# Altium PCB core-unit.PcbDoc
Units mil, origin at the board's own origin, x right, y up, seen from the top; angles counter-clockwise.
Board outline 393.7 x 629.92 mil, 6 copper layers (Top Layer, Gnd 1, Signal Pwr 1, Gnd 2, Signal Pwr 2, Bottom Layer), stack 32.112 mil thick; 55 components, 45 nets, 272 pads, 133 vias.
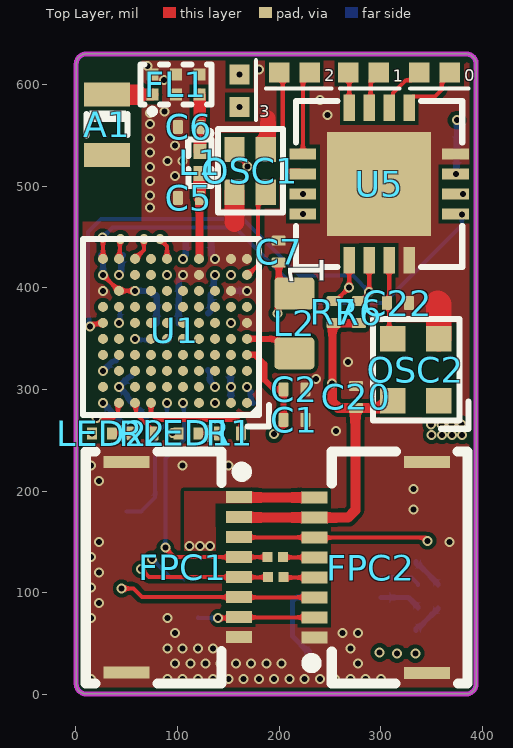
[diagram p0: Top Layer view]
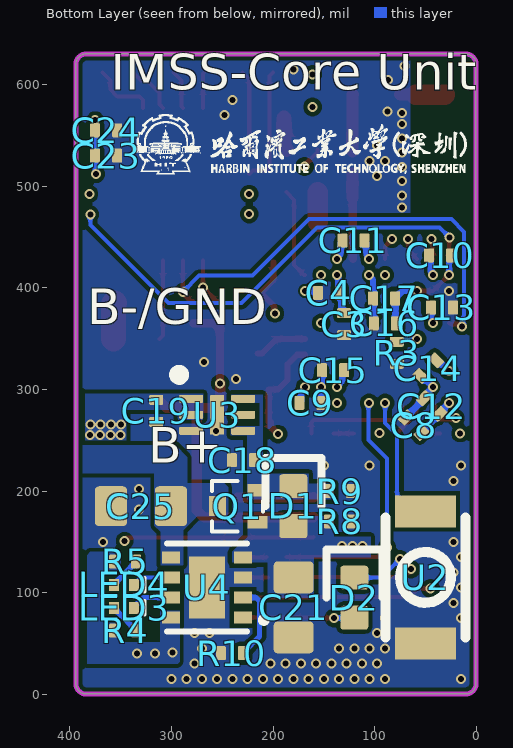
[diagram p1: Bottom Layer view, seen from below]
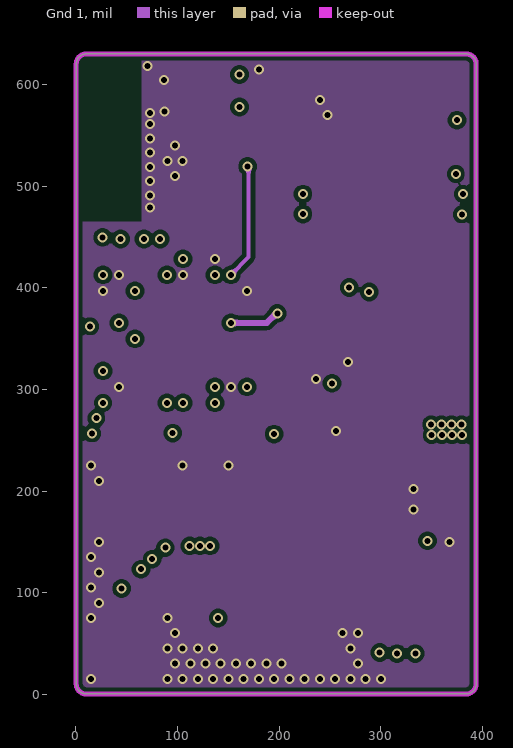
[diagram p2: Gnd 1]
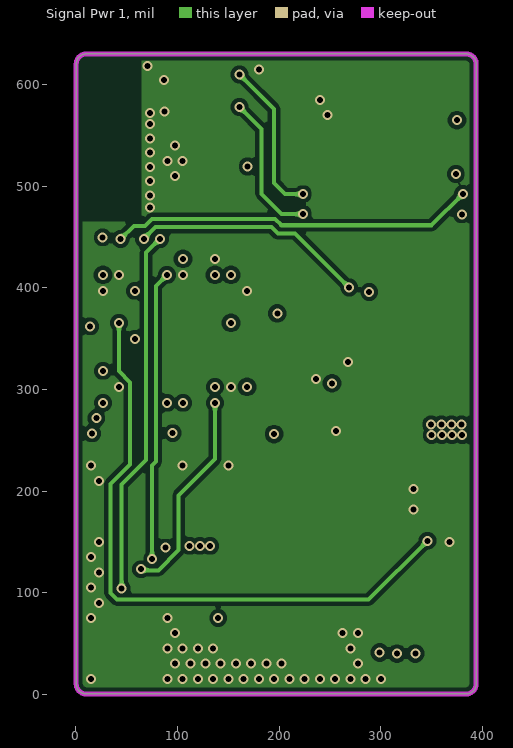
[diagram p3: Signal Pwr 1]
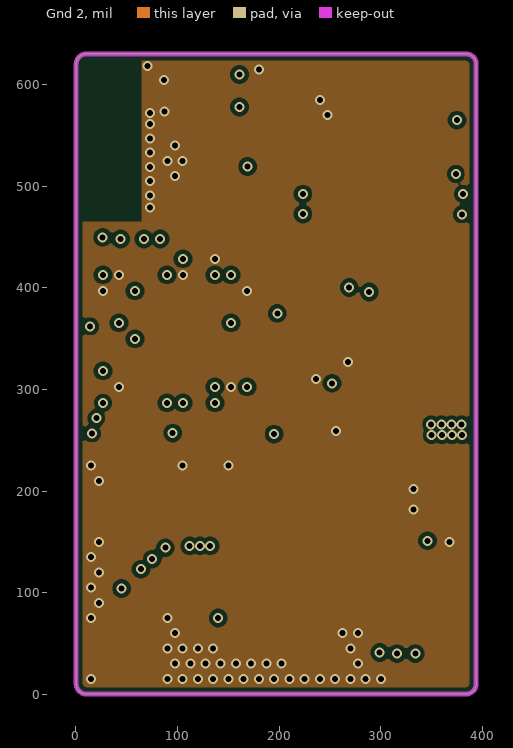
[diagram p4: Gnd 2]
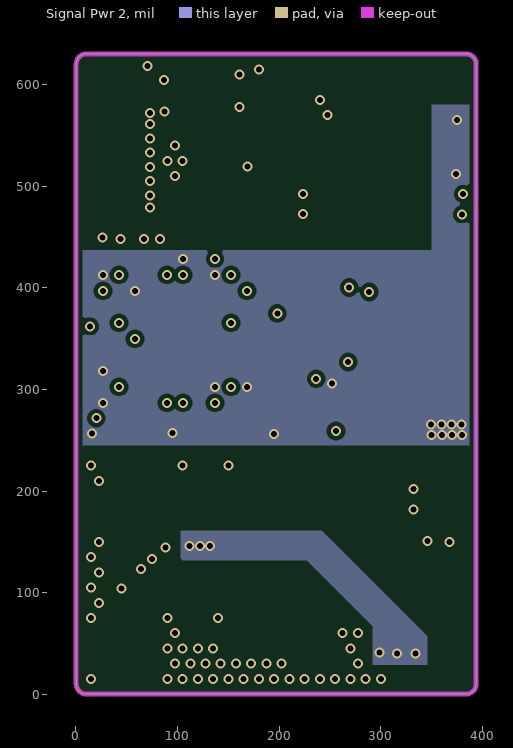
[diagram p5: Signal Pwr 2]
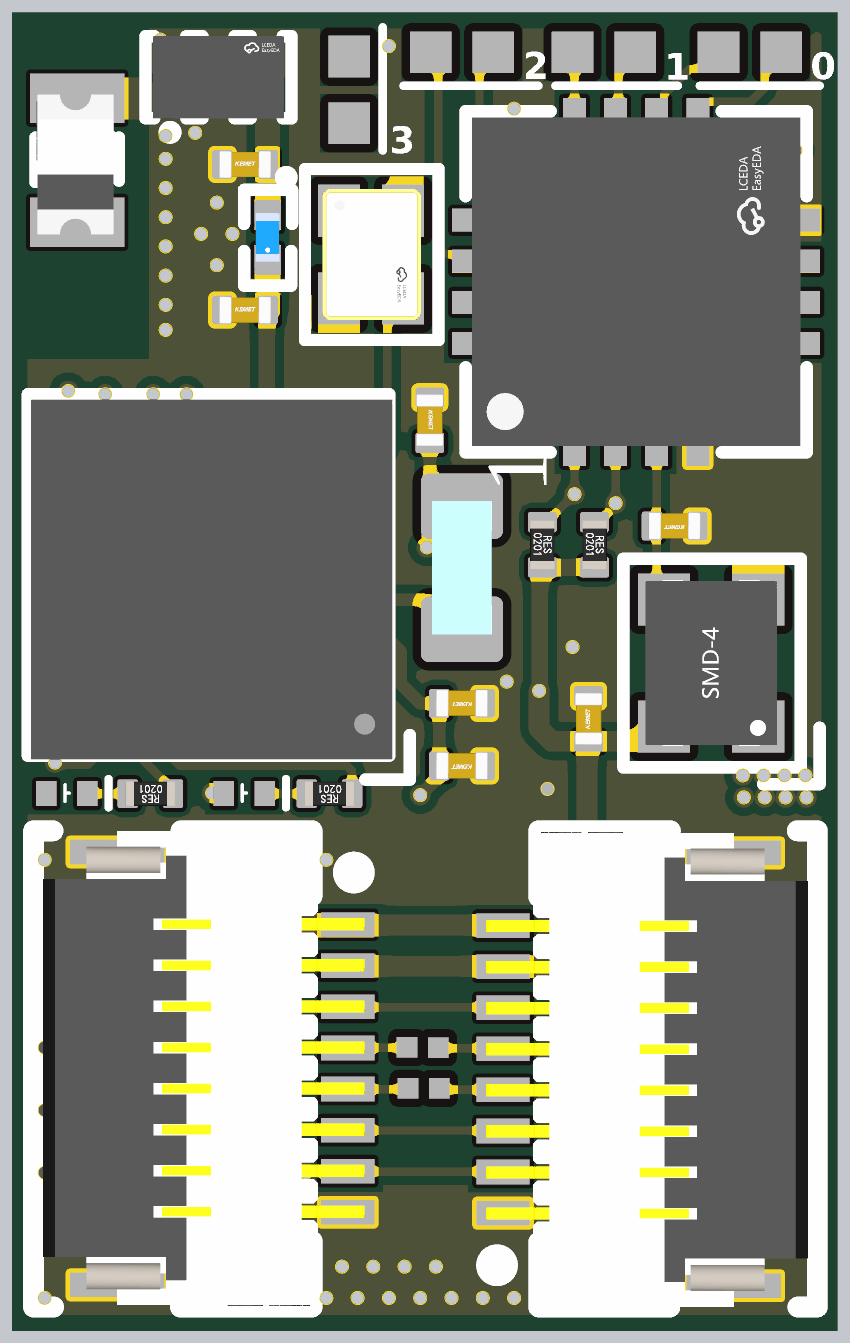
[diagram p6: 3D render of the assembled board from above, using the file's embedded part models]
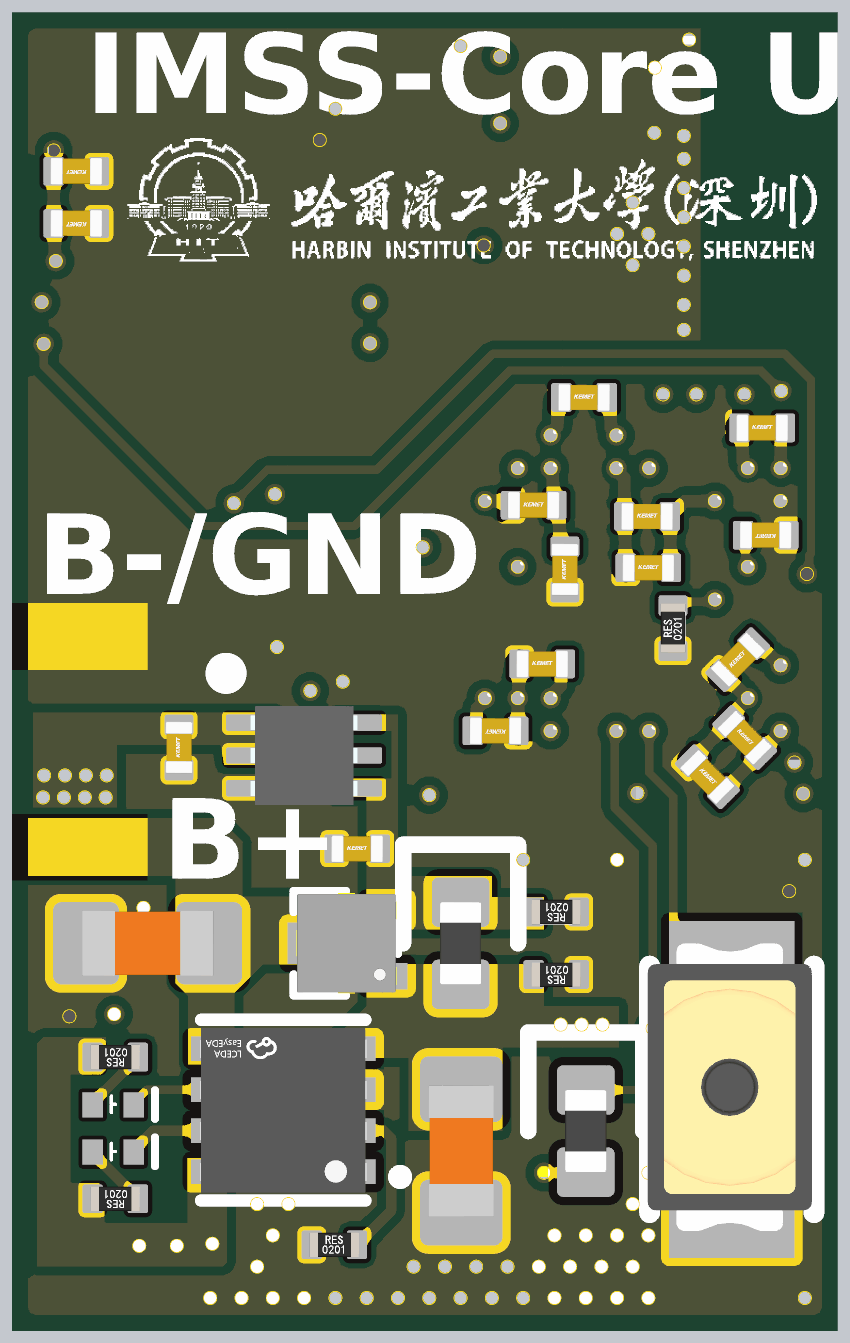
[diagram p7: 3D render of the assembled board from below, using the file's embedded part models]

## Layer stack, top to bottom
Top Solder: solder mask 0.4, Solder Resist, Dk 3.5
Top Layer: signal copper 1.4
Dielectric 2: prepreg 2.8, PP-006, Dk 4.1
Gnd 1: signal copper 1.378
Dielectric 4: prepreg 2.8, PP-006, Dk 4.1
Signal Pwr 1: signal copper 1.378
Dielectric 1: dielectric 12.6, FR-4, Dk 4.8
Gnd 2: signal copper 1.378
Dielectric 5: prepreg 2.8, PP-006, Dk 4.1
Signal Pwr 2: signal copper 1.378
Dielectric 3: prepreg 2.8, PP-006, Dk 4.1
Bottom Layer: signal copper 1.4
Bottom Solder: solder mask 0.4, Solder Resist, Dk 3.5

## Board outline
0.25,10.09 0.25,620.33 cw(c10.09,620.33) 10.09,630.17 384.11,630.17 cw(c384.11,620.33) 393.95,620.33 393.95,10.09 cw(c384.11,10.09) 384.11,0.25 10.09,0.25 cw(c10.09,10.09)

## Design rules (kind name [scope] priority, off if disabled: settings)
Clearance [All] p1: gap=4 ignorepadtopadclearanceinfootprint=FALSE
PlaneConnect [All] p1: planeconnectstyle=Direct reliefexpansion=20 reliefentries=4 reliefconductorwidth=10 reliefairgap=10
PolygonConnect [All] p1: connectstyle=Direct reliefconductorwidth=10 reliefentries=4 polygonreliefangle="90 Angle" airgapwidth=10
RoutingVias [All] p1: holewidth=5.91 width=9.84 viastyle="Through Hole" minholewidth=5.91 minwidth=9.84 maxholewidth=7.87 maxwidth=13.78
SilkToSilkClearance [All] p1 off: silktosilkclearance=10
SolderMaskExpansion [All] p1: expansion=4 istentingtop=FALSE
SupplyNets "Schematic Supply Nets_4" [InNet('GND')] p1: voltage=0.000
SupplyNets "Schematic Supply Nets_3" [InNet('5VUSB')] p2: voltage=0.000
SupplyNets "Schematic Supply Nets_2" [InNet('3V3')] p3: voltage=0.000
SupplyNets "Schematic Supply Nets_1" [InNet('VLDO')] p4: voltage=0.000
SupplyNets "Schematic Supply Nets" [InNet('VBAT')] p5: voltage=0.000
Width [All] p1: maxlimit=30 minlimit=3 preferedwidth=4
28 further rules are at their usual default settings.

## Components (designator, comment, footprint, x,y, rotation, side; value= is the part's Value field where it differs from the comment)
A1 "KH-3216-H0209" ANT-SMD_L1.7-W0.9 30.57,560.29 r90 top
C1 "4.7uF" CAP_0201 215,270 r180 top
C2 "100nF" CAP_0201 215,300 r180 top
C3 "100nF" CAP_0201 130,364.17 r90 bottom
C4 "100pF" CAP_0201 145,395 r180 bottom
C5 "1.5pF" CAP_0201 111.06,488.5 r0 top
C6 "1.0pF" CAP_0201 111.06,558.31 r0 top
C7 "4.7uF" CAP_0201 199.6,435.71 r270 top
C8 "4.7uF" CAP_0201 61.67,264.79 r225 bottom
C9 "100nF" CAP_0201 163.25,286.81 r0 bottom
C10 "100nF" CAP_0201 35.44,432.03 r180 bottom
C11 "100nF" CAP_0201 120.81,446.63 r180 bottom
C12 "100nF" CAP_0201 43.8,283.63 r225 bottom
C13 "100nF" CAP_0201 33.78,380.62 r0 bottom
C14 "100nF" CAP_0201 47.14,320.95 r135 bottom
C15 "100nF" CAP_0201 140.86,318.88 r180 bottom
C16 "1.0uF" CAP_0201 90,365 r180 bottom
C17 "100nF" CAP_0201 90.62,389.59 r180 bottom
C18 "4.7uF" CAP_0201 229.56,230.32 r180 bottom
C19 "4.7uF" CAP_0201 314.97,278.86 r90 bottom
C20 "100nF" CAP_0201 275.68,292.57 r90 top
C21 "10uF" CAP_0603 179.66,85.46 r90 bottom
C22 "15pF" CAP_0201 316.91,384.99 r180 top
C23 "100nF" CAP_0201 364.17,530 r0 bottom
C24 "100nF" CAP_0201 364.17,555 r0 bottom
C25 "10uF" CAP_0603 330,185 r180 bottom
D1 "D_TVS_0402" D_0402 180,185 r90 bottom
D2 "D_TVS_0402" D_0402 120,95 r90 bottom
FL1 "MLPF-WB55-01E3" FILTER-SMD_6P-L1.6-W1.0-P0.50-BL 98.33,600.07 r0 top
FPC1 "HC-FPC-05-10-8RLTAG" FPC-SMD_8P-P0.50_HCTL_HC-FPC-05-10-8RLTAG 105,125 r90 top
FPC2 "HC-FPC-05-10-8RLTAG" FPC-SMD_8P-P0.50_HCTL_HC-FPC-05-10-8RLTAG 290,124.57 r270 top
L1 "2.2nH" L0201 121.89,523.31 r90 top
L2 "10uH" IND_0603 215,365 r270 top
LED1 "XL-0201UGC" LED-SMD_L0.7-W0.4-RD_GREEN 110.66,256.71 r180 top
LED2 "XL-0201UGC" LED-SMD_L0.7-W0.4-RD_GREEN 25.66,256.71 r180 top
LED3 "XL-0201UGC" LED-SMD_L0.7-W0.4-RD_GREEN 346.48,84.86 r0 bottom
LED4 "XL-0201UGC" LED-SMD_L0.7-W0.4-RD_GREEN 346.48,107.51 r0 bottom
OSC1 "32MHz" CRYSTAL-SMD_4P-L1.6-W1.2-BL-1 171.79,515.11 r270 top
OSC2 "40MHz" OSC-SMD_4P-L2.0-W1.6-BL 334.41,319.29 r90 top
Q1 "DMP21D6UFD-7" X1-DFN1212-3_L1.2-W1.2-P0.80-BR 235,185 r180 bottom
R1 "1k" RES_0201 151.48,256.71 r180 top
R2 "1k" RES_0201 65.66,256.71 r180 top
R3 "1k" RES_0201 78.2,336.04 r90 bottom
R4 "1k" RES_0201 345.49,62.52 r0 bottom
R5 "1k" RES_0201 345.49,130.46 r0 bottom
R6 "4.7k" RES_0201 278.57,376 r270 top
R7 "4.7k" RES_0201 253.57,376 r270 top
R8 "100k" RES_0201 134.17,170 r0 bottom
R9 "100k" RES_0201 134.17,200 r0 bottom
R10 "3k" RES_0201 240.49,40.46 r180 bottom
U1 "STM32WB55VGY6TR" WLCSP-100_L4.4-W4.4-R10-C10-P0.40-TL_STM32WB55VGY6TR 97.48,357.6 r180 top
U2 "TS2306A 200gf 002" SW-SMD_L3.0-W2.0-LS3.5 50,115 r90 bottom
U3 "MIC5528-3.3YMT-TR" TDFN-6 255,275 r180 bottom
U4 "LGS4056HDA" DFN-8_L2.0-W2.0-P0.50-TL-EP1.6 265,105 r0 bottom
U5 "LDC1614RGHR" WQFN-16_L4.0-W4.0-P0.50-TL-EP2.6-1 298.49,502.05 r90 top

## Footprints (in the part's own frame and the unit in brackets; to place one, negate y for a bottom-side part, rotate by r counter-clockwise, add the part's x,y. Pads: shape width x height; smd on the part's side, far side on the other; paste and mask are expansions set on the pad)
ANT-SMD_L1.7-W0.9 [mm]
  rect 0.6x1.15 smd paste+0 mask+0.05: 1(0.756,0) 2(-0.756,0)
  silkscreen extent -0.26,-0.51 0.35,0.51, body extent -0.9,-0.44 0.8,0.5, height 0.75
CAP_0201 [mm]
  rrect25% 0.25x0.35 smd mask+0.05: 1(-0.275,0) 2(0.275,0)
  body extent -0.32,-0.17 0.32,0.16, height 0.34
CAP_0603 [mm]
  rrect25% 0.8x1 smd: 1(-0.75,0) 2(0.75,0)
  body extent -0.8,-0.4 0.8,0.4, height 0.51
CRYSTAL-SMD_4P-L1.6-W1.2-BL-1 [mil]
  rect 25x20 smd: 1(-21,-15.75) 2(21,-15.75) 3(21,15) 4(-21,15)
  silkscreen extent -41,-44 41,32, body extent -31,-24 31,24, height 14
D_0402 [mm]
  rrect25% 0.6x0.7 smd: A(-0.5,0) K(0.5,0)
  silkscreen extent 0,-0.7 1.2,0.7, body extent -0.5,-0.25 0.5,0.25, height 0.51
DFN-8_L2.0-W2.0-P0.50-TL-EP1.6 [mm]
  rect 0.45x0.3 smd: 1(-0.9,0.75) 2(-0.9,0.25) 3(-0.9,-0.25) 4(-0.9,-0.75) 5(0.9,-0.75) 6(0.9,-0.25) 7(0.9,0.25) 8(0.9,0.75)
  rect 0.9x1.55 smd: 9(-0.001,0.002)
  silkscreen extent -1.49,-1.1 1,1.1, body extent -1.01,-1 1.01,1, height 0.91
FILTER-SMD_6P-L1.6-W1.0-P0.50-BL [mm]
  rect 0.3x0.3 smd paste+0 mask+0.05: 1(-0.587,-0.25) 2(0,-0.25) 3(0.587,-0.25) 4(0.587,0.25) 5(0,0.25) 6(-0.587,0.25)
  silkscreen extent -0.89,-0.74 0.89,0.5, body extent -0.8,-0.5 0.8,0.5, height 0.45
FPC-SMD_8P-P0.50_HCTL_HC-FPC-05-10-8RLTAG [mm]
  rect 0.3x0.65 smd paste+0 mask+0.05: 1(1.75,-1.405) 2(1.25,-1.405) 3(0.75,-1.405) 4(0.25,-1.405) 5(-0.25,-1.405) 6(-0.75,-1.405) 7(-1.25,-1.405) 8(-1.75,-1.405)
  rect 0.3x1.15 smd paste+0 mask+0.05: 9(-2.635,1.405) 10(2.635,1.405)
  silkscreen extent -2.9,-1.6 2.89,2.42, body extent -2.89,-1.61 2.89,2.31, height 1.01
IND_0603 [mm]
  rrect25% 0.8x1 smd: 1(-0.75,0) 2(0.75,0)
  body extent -0.81,-0.37 0.81,0.37, height 0.87
L0201 [mil]
  rect 14.51x12.76 smd paste-3937.01 mask+2: 1(-10.8,0) 2(10.8,0)
  silkscreen extent -23,-12 23,11, body extent -12,-6 12,6, height 12
LED-SMD_L0.7-W0.4-RD_GREEN [mil]
  rect 9.84x12 smd paste+0 mask+1.97: 1(-9.84,0) 2(9.84,0)
  silkscreen extent -20,-7 1,7, body extent -13,-6 13,6, height 10
OSC-SMD_4P-L2.0-W1.6-BL [mil]
  rect 25x25 smd: 1(-30.43,-22.62) 2(30.43,-22.62) 3(30.43,22.62) 4(-30.43,22.62)
  silkscreen extent -58,-52 50,42, body extent -40,-32 40,31, height 30
RES_0201 [mm]
  rrect25% 0.25x0.35 smd mask+0.05: 1(-0.275,0) 2(0.275,0)
  body extent -0.3,-0.15 0.3,0.15, height 0.15
SW-SMD_L3.0-W2.0-LS3.5 [mil]
  rect 31.5x60 smd: 1(-64.98,0) 2(64.98,0)
  silkscreen extent -59,-39 59,39, body extent -68,-38 70,40, height 26
TDFN-6 [mm]
  rrect25% 0.6x0.2 smd mask+0.05: 1(-0.65,0.4) 2(-0.65,0) 3(-0.65,-0.4) 4(0.65,-0.4) 5(0.65,0) 6(0.65,0.4)
  rrect10% 0.35x0.99 smd mask+0.05: 7(0,0)
  silkscreen extent -1.08,0.88 -0.83,1.12, body extent -0.65,-0.6 0.65,0.6, height 0.6
WLCSP-100_L4.4-W4.4-R10-C10-P0.40-TL_STM32WB55VGY6TR [mm]
  round 0.25 smd paste-100 mask+0.051: A1(-1.8,1.8) A2(-1.4,1.8) A3(-1,1.8) A4(-0.6,1.8) A5(-0.2,1.8) A6(0.2,1.8) A7(0.6,1.8) A8(1,1.8) A9(1.4,1.8) A10(1.8,1.8) B1(-1.8,1.4) B2(-1.4,1.4) B3(-1,1.4) B4(-0.6,1.4) B5(-0.2,1.4) B6(0.2,1.4) B7(0.6,1.4) B8(1,1.4) B9(1.4,1.4) B10(1.8,1.4) C1(-1.8,1) C2(-1.4,1) C3(-1,1) C4(-0.6,1) C5(-0.2,1) C6(0.2,1) C7(0.6,1) C8(1,1) C9(1.4,1) C10(1.8,1) D1(-1.8,0.6) D2(-1.4,0.6) D3(-1,0.6) D4(-0.6,0.6) D5(-0.2,0.6) D6(0.2,0.6) D7(0.6,0.6) D8(1,0.6) D9(1.4,0.6) D10(1.8,0.6) E1(-1.8,0.2) E2(-1.4,0.2) E3(-1,0.2) E4(-0.6,0.2) E5(-0.2,0.2) E6(0.2,0.2) E7(0.6,0.2) E8(1,0.2) E9(1.4,0.2) E10(1.8,0.2) F1(-1.8,-0.2) F2(-1.4,-0.2) F3(-1,-0.2) F4(-0.6,-0.2) F5(-0.2,-0.2) F6(0.2,-0.2) F7(0.6,-0.2) F8(1,-0.2) F9(1.4,-0.2) F10(1.8,-0.2) G1(-1.8,-0.6) G2(-1.4,-0.6) G3(-1,-0.6) G4(-0.6,-0.6) G5(-0.2,-0.6) G6(0.2,-0.6) G7(0.6,-0.6) G8(1,-0.6) G9(1.4,-0.6) G10(1.8,-0.6) H1(-1.8,-1) H2(-1.4,-1) H3(-1,-1) H4(-0.6,-1) H5(-0.2,-1) H6(0.2,-1) H7(0.6,-1) H8(1,-1) H9(1.4,-1) H10(1.8,-1) J1(-1.8,-1.4) J2(-1.4,-1.4) J3(-1,-1.4) J4(-0.6,-1.4) J5(-0.2,-1.4) J6(0.2,-1.4) J7(0.6,-1.4) J8(1,-1.4) J9(1.4,-1.4) J10(1.8,-1.4) K1(-1.8,-1.8) K2(-1.4,-1.8) K3(-1,-1.8) K4(-0.6,-1.8) K5(-0.2,-1.8) K6(0.2,-1.8) K7(0.6,-1.8) K8(1,-1.8) K9(1.4,-1.8) K10(1.8,-1.8)
  silkscreen extent -2.35,-2.3 2.3,2.39, body extent -2.14,-2.24 2.26,2.14, height 0.51
WQFN-16_L4.0-W4.0-P0.50-TL-EP2.6-1 [mm]
  rect 0.665x0.28 smd paste-100 mask+0.05: 1(-1.908,0.75) 2(-1.908,0.25) 3(-1.908,-0.25) 4(-1.908,-0.75) 9(1.908,-0.75) 10(1.908,-0.25) 11(1.908,0.25) 12(1.908,0.75)
  rect 0.28x0.665 smd paste-100 mask+0.05: 5(-0.75,-1.908) 6(-0.25,-1.908) 7(0.25,-1.908) 8(0.75,-1.908) 13(0.75,1.908) 14(0.25,1.908) 15(-0.25,1.908) 16(-0.75,1.908)
  rect 2.6x2.6 smd paste-100 mask+0.05: 17(0,0)
  silkscreen extent -2.08,-2.08 2.08,2.08, body extent -2,-2 2,2, height 0.81
X1-DFN1212-3_L1.2-W1.2-P0.80-BR [mm]
  rect 0.5x0.32 smd: 1(0.5,-0.4) 2(0.5,0.4)
  rect 0.42x0.5 smd: 3(-0.5,0)
  silkscreen extent -0.64,-0.64 0.64,0.64, body extent -0.6,-0.61 0.62,0.61, height 0.51

## Part data
A1: library part ANTENNA, "陶瓷贴片天线", JLCPCB Part Class=扩展库, Manufacturer=kinghelm(金航标), Add into BOM=yes, Convert to PCB=yes, Datasheet=https://atta.szlcsc.com/upload/public/pdf/source/20211126/47D9D63D1A7578CBC67CF3AB2A53F46A.pdf, Device=KH-3216-H0209, LCSC Part Name=KH-3216-H0209, Manufacturer Part=KH-3216-H0209, Name=KH-3216-H0209, Supplier=LCSC, Supplier Footprint=1206, Supplier Part=C2925417, Symbol=KH-3216-H0209
C1 C2 C3 C4 C5 C6 C7 C8 C9 C10 C11 C12 C13 C14 C15 C16 C17 C18 C19 C20 C22 C23 C24: library part CAP_0201, "Capacitor SMD 0201"
C21 C25: library part CAP_0603, "Capacitor SMD 0603"
D1 D2: "Diode TVS / ESD 0402"
FL1: "滤波器 2.4G", JLCPCB Part Class=扩展库, LCSC Part Name="2.45GHz 中心 低通", Manufacturer=ST(意法半导体), Add into BOM=yes, Bandwidth=100MHz, Convert to PCB=yes, Datasheet=https://atta.szlcsc.com/upload/public/pdf/source/20210702/9A61CA581AD9994A0E14452110FC9469.pdf, Device=MLPF-WB55-01E3, Filter Type=低通, Insertion Loss=1.1dB, Manufacturer Part=MLPF-WB55-01E3, Name=MLPF-WB55-01E3, Supplier=LCSC, Supplier Footprint=SMD-6P,1.6x1mm, Supplier Part=C2651048, Symbol=MLPF-WB55-01E3
FPC1 FPC2: "FPC连接器 0.5mm pitch 8p", JLCPCB Part Class=扩展库, LCSC Part Name="翻盖式 下接 P数:8P 间距:0.5mm", Manufacturer=HCTL(华灿天禄), Operating Temperature Range=-55℃~+85℃, Add into BOM=yes, Contact Material=铜合金, Contact Type=下接, Convert to PCB=yes, Datasheet=https://atta.szlcsc.com/upload/public/pdf/source/20221027/B2DE489DA152049D1F105170189CFB4E.pdf, Device=HC-FPC-05-10-8RLTAG, FFC, FCB Thickness=0.3mm, Height Above Board=1mm, Locking Feature=翻盖式, Manufacturer Part=HC-FPC-05-10-8RLTAG, Mounting Type=卧贴, Name=HC-FPC-05-10-8RLTAG, Number of Contacts=8P, Pitch=0.5mm, Supplier=LCSC, Supplier Footprint=SMD,P=0.5mm,卧贴, Supplier Part=C5213730, Symbol=HC-FPC-05-10-8RLTAG
L1: library part L0201, DC Resistance (DCR)=150mΩ, Frequency - Self Resonant=11GHz, JLCPCB Part Class=扩展库, Manufacturer=muRata(村田), Manufacturer Part=LQP03TN2N2B02D, Q @ Freq=14@500MHz, Rated Current=600mA, Ratings=-, Add into BOM=yes, Convert to PCB=yes, Datasheet=https://atta.szlcsc.com/upload/public/pdf/source/20200107/C157592_7FF58F85BAEF0D918ADFA12AEC0AEBA8.pdf, Device=LQP03TN2N2B02D, LCSC Part Name=2.2nH, Name=2.2nH, Saturation Current (Isat)=-, Supplier=LCSC, Supplier Footprint=0201, Supplier Part=C98041, Symbol=LQP03TN2N2B02D, Tolerance=-
L2: library part IND_0603, "Inductor SMD 0603"
LED1 LED2 LED3 LED4: library part LED_0201, Emitted Color=翠绿色, Forward Current=5mA, Forward Voltage (VF)=2.6V~3.2V, JLCPCB Part Class=扩展库, Lens Color=透明透镜, Manufacturer=XINGLIGHT(成兴光), Operating Temperature=-30℃~+85℃, Power Dissipation=80mW, Add into BOM=yes, Convert to PCB=yes, Datasheet=https://atta.szlcsc.com/upload/public/pdf/source/20220704/E0793CD8344CCC1EE8399F6C022919A7.pdf, Device=XL-0201UGC, Dominant Wavelength=525nm, LCSC Part Name=XL-0201UGC, Luminous Intensity=150mcd~350mcd, Manufacturer Part=XL-0201UGC, Mounting Sytle=正贴, Supplier=LCSC, Supplier Footprint=0201, Supplier Part=C3646922, Symbol=XL-0201UGC, Viewing Angle=120°
  LED1 LED2: Name=XL-0201UGC
  LED3: Name=RED
  LED4: Name=GREEN
OSC1: library part X161232MMB4SI, "晶振 1612", Equivalent Series Resistance (ESR)=-, Frequency Stability(Full temperature range)=±30ppm, JLCPCB Part Class=扩展库, LCSC Part Name="32MHz ±10ppm 10pF", Load Capacitor=10pF, Manufacturer=YXC(扬兴晶振), Normal temperature Frequency Tolerance=±10ppm, Operating Temperature=-40℃~+85℃, Add into BOM=yes, Convert to PCB=yes, Crystal Type=贴片晶振, Datasheet=https://atta.szlcsc.com/upload/public/pdf/source/20240329/D9025446BDBD7B39CDD0BF685E81FE1D.pdf, Device=X161232MMB4SI, Manufacturer Part=X161232MMB4SI, Mounting Type=-, Name=32MHz, Supplier=LCSC, Supplier Footprint=SMD1612-4P, Supplier Part=C2982343, Symbol=X161232MMB4SI
OSC2: library part OT7EL89CJI-111YLC-40M, "有源晶振 40MHz", Frequency Stability(Full temperature range)=±20ppm, JLCPCB Part Class=扩展库, LCSC Part Name="40MHZ 1.8V-3.3V ±10PPM YSO110TR", Manufacturer=YXC(扬兴晶振), Normal temperature Frequency Tolerance=±10ppm, Operating Temperature=-40℃~+85℃, Supply Voltage=1.8V~3.3V, Add into BOM=yes, Convert to PCB=yes, Datasheet=https://atta.szlcsc.com/upload/public/pdf/source/20240731/596E5F7673E50DA744B7F79F139FB8DF.pdf, Device=OT7EL89CJI-111YLC-40M, Manufacturer Part=OT7EL89CJI-111YLC-40M, Name=40MHz, Output Type=CMOS, Supplier=LCSC, Supplier Footprint=SMD2016-4P, Supplier Part=C7434947, Symbol=OT7EL89CJI-111YLC-40M
Q1: library part PMOS_DFN-3_1.2x1.2, Continuous Drain Current (Id)=600mA, Drain Source On Resistance (RDS(on)@Vgs,Id)=1Ω@4.5V,600mA, Drain Source Voltage (Vdss)=20V, Gate Threshold Voltage (Vgs(th)@Id)=1V@250uA, Input Capacitance (Ciss@Vds)=46.1pF@10V, JLCPCB Part Class=扩展库, LCSC Part Name="1个P沟道 耐压:20V 电流:600mA", Manufacturer=DIODES(美台), Operating Temperature=-55℃~+150℃, Power Dissipation (Pd)=800mW, Reverse Transfer Capacitance (Crss@Vds)=4.9pF@10V, Add into BOM=yes, Convert to PCB=yes, Datasheet=https://atta.szlcsc.com/upload/public/pdf/source/20220120/CC101C4482074BD50B9EB78563090653.pdf, Device=DMP21D6UFD-7, Manufacturer Part=DMP21D6UFD-7, Name=DMP21D6UFD-7, Supplier=LCSC, Supplier Footprint=X1-DFN1212-3, Supplier Part=C2960365, Symbol=DMP21D6UFD-7, Total Gate Charge (Qg@Vgs)=800pC, Type=1个P沟道
R1 R2 R3 R4 R5 R6 R7 R8 R9 R10: library part RES_0201, "Resistor SMD 0201"
U1: "WLCSP-100", Current Of Transmitting=5.2mA, Frequency Range=2.405GHz~2.48GHz, JLCPCB Part Class=扩展库, LCSC Part Name="超低功耗双核64 MHz Arm Cortex-M4 + 32MHz Cortex-M0+ MCU，具有1 MB Flash存储器、蓝牙5, 802.15.4、USB、LCD和AES-256", Manufacturer=ST(意法半导体), Operating Temperature=-40℃~+85℃, Operating Voltage=1.71V~3.6V, Output Power=6dBm, Receive Current=4.5mA, Add into BOM=yes, Applications=802.15.4；蓝牙, Convert to PCB=yes, Data Rate=2Mbps, Datasheet=https://atta.szlcsc.com/upload/public/pdf/source/20210601/5432F19F1D5A2A3CB39F31675BD897C7.pdf, Device=STM32WB55VGY6TR, Interface=ADC,I2C,SPI,UART,USART,USB, Manufacturer Part=STM32WB55VGY6TR, Name=STM32WB55VGY6TR, Sensitivity=-100dBm, Supplier=LCSC, Supplier Footprint=WLCSP-100(4.4x4.4), Supplier Part=C1850399, Symbol=STM32WB55VGY6TR
U2: "轻触按键开关复位", Actuator/Cap Color=黄色, Contact Current=50mA, Insulation Resistance=100MΩ, JLCPCB Part Class=扩展库, LCSC Part Name="薄膜开关 2*3*0.6mm 蓝牙耳机/开机按键 两脚 黄膜黑点 200gf", Manufacturer="SHOU HAN(首韩)", Operating Force=200gf, Operating Temperature=-40℃~+80℃, Power Rating=0.25W, Voltage Rating (DC)=5V, Actuator Style=圆形按钮, Add into BOM=yes, Circuit=单刀单掷, Convert to PCB=yes, Datasheet=https://atta.szlcsc.com/upload/public/pdf/source/20230321/144662D432400ADC228EB2A996730BBD.pdf, Device="TS2306A 200gf 002", Manufacturer Part="TS2306A 200gf 002", Mechanical Life=30万次, Mounting Style=立贴, Name="TS2306A 200gf 002", Strike Gundam=不带, Supplier=LCSC, Supplier Footprint=SMD, Supplier Part=C5363482, Switch Height=0.6mm, Switch Length=3mm, Switch Width=2mm, Symbol="TS2306A 200GF 002", With Lamp=无
U3: "LDO Regulator 3V3 500mA 2.5V<Vin<5.5V", Manufacturer=Microchip, Manufacturer Part Number=MIC5528-3.3YMT-TR
U4: "1s锂电池充电芯片", Charging Saturation Voltage=4.2V, JLCPCB Part Class=扩展库, LCSC Part Name=TP4056H(DFN), Manufacturer=Legend-Si(棱晶半导体), Maximum Charge Current=1A, Operating Temperature=-40℃~+125℃, Supply Voltage=4V~6V, Add into BOM=yes, Convert to PCB=yes, Datasheet=https://atta.szlcsc.com/upload/public/pdf/source/20230407/EF281A5928E4D64337F5505487E44644.pdf, Device=LGS4056HDA, Manufacturer Part=LGS4056HDA, Name=LGS4056HDA, Number of Cells=1, Supplier=LCSC, Supplier Footprint=DFN-8(2x2), Supplier Part=C5124109, Symbol=LGS4056H, The Chip Type=线性充电芯片, Type of Battery=锂离子/聚合物
U5: "电感测量芯片", JLCPCB Part Class=扩展库, LCSC Part Name=适用于电感感应的LDC1612、LDC1614多通道28位电感数字转换器, Manufacturer=TI(德州仪器), Add into BOM=yes, Convert to PCB=yes, Datasheet=https://www.ti.com/cn/lit/gpn/ldc1614, Device=LDC1614RGHR, Manufacturer Part=LDC1614RGHR, Name=LDC1614RGHR, Supplier=LCSC, Supplier Footprint=WQFN-16-EP(4x4), Supplier Part=C968448, Symbol=LDC1614RGHR

## Free pads (board coordinates)
  rect 10x9.84 smd: 1(188.67,135.07) 1(189.12,115.49) 2(203.66,135) 2(204.11,115.41)
  rect 20x20 smd: A(161,610) A(230,612) A(298,612) A(368,612) B(161,578) B(200,612) B(268,612) B(338,612)

## Via types
v1: diameter 9.84, hole 5.91, Top Layer to Bottom Layer, tented both sides, 133 vias

## Nets (pads, with @x,y where several pads share a name; then routed paths per layer and width w, separated by ;. In a path a pad name is that pad's centre, name@x,y a point inside that pad or via, vN(x,y) a via of type N, cw(c..) or ccw(c..) an arc to the next point about the centre after c; other vN are vias at no path point)
3V3: C1.2 C2.2 C3.2 C4.2 C8.2 C9.2 C10.2 C11.2 C12.2 C14.2 C15.2 C16.2 C17.2 C19.2 C20.1 C23.2 C24.2 FPC1.2 FPC2.7 LED1.2 LED2.2 OSC2.4 R6.2 R7.2 U1.A10 U1.B1 U1.B3 U1.C10 U1.D1 U1.H8 U1.H9 U1.J3 U1.J10 U1.K5 U3.1 U3.2 U5.7 | length 823.1
  Top Layer w4: v1(26.61,412.72) U1.H9 v1(58.11,396.97)
  Top Layer w6: U1.D1 168.52,334.15 176.2,334.15 185.59,324.76 185.59,309.41 195,300 C2.2 C1.2@204.17,268.03 ; v1(195,256) 202.25,263.25 202.25,268.08 C1.2
  Top Layer w8: v1(252,306) 252.35,306.35 252.35,364.25 253.27,365.17 R7.2 R6.2
  Top Layer w10: FPC1.2 160.53,173.99 234.47,173.99 FPC2.7 267.78,173.78 275,181 275,281.67 275.08,281.75 C20.1 ; v1(252,306) 252,287.86 258.03,281.83 275.6,281.83 C20.1 ; OSC2.4 304.76,281.83 275.76,281.83 C20.1
  Bottom Layer w6: C10.2 26.54,430.11 26.54,424.7 26.61,424.62 v1(26.61,412.72) ; v1(26.61,286.73) 34.01,279.34 C12.2 38.82,273.15 51.68,260.3 C8.2 ; v1(26.61,318.23) 35.48,327.1 C14.2 ; v1(58.11,396.97) 72.41,396.97 75.91,393.48 77.88,393.48 79.8,391.56 C17.2 79.49,389.27 79.49,365.31 C16.2 ; v1(105.35,428.47) 105.35,429.51 108.06,432.22 108.06,444.71 C11.2 ; C3.2 130.59,375 132.51,376.92 132.51,393.34 C4.2 ; C4.2@135.09,394.44 135.79,395.15 135.79,410.63 136.85,411.68 v1(136.85,412.72) ; v1(136.85,302.48) 136.85,303.52 131.96,308.42 C15.2@131.96,314.99 ; v1(168.35,302.48) 168.35,301.44 172.15,297.64 C9.2@172.15,290.7 ; v1(374,512) 374.5,512.5 374.5,529.5 C23.2 C24.2 v1(375,565) ; C15.2@131.96,314.99 131.96,316.96 C15.2 C15.2@131.96,314.99 ; C9.2@172.15,290.7 172.15,288.73 C9.2 C9.2@172.15,290.7
  other v1: 350.1,254.91 360.1,254.91 370.1,254.91 380.1,254.91 15.82,256.71 95.27,257 349.61,265.46 359.61,265.46 369.61,265.46 379.61,265.46
5VUSB: C21.2 D1.A FPC1.1 FPC2.8 Q1.1 R4.2 R5.2 R8.2 U4.4 U4.8 | length 74.5
  Top Layer w10: FPC1.1 160.53,193.68 234.47,193.68 FPC2.8
  other v1: 316,40 334,40 299,41 112,146 122,146 132,146
BUTTON: U1.A6 U2.2 | length 131.5
  Bottom Layer w4: U2.2 64.25,179.98 78,193.73 78,255.18 89.61,266.79 v1(89.61,286.73)
GND: C1.1 C2.1 C3.1 C4.1 C5.1 C6.1 C7.1 C8.1 C9.1 C10.1 C11.1 C12.1 C13.1 C14.1 C15.1 C16.1 C17.1 C18.1 C19.1 C20.2 C21.1 C22.1 C23.1 C24.1 C25.1 FL1.2 FL1.4 FL1.5 FL1.6 FPC1.8 FPC1.9 FPC1.10 FPC2.1 FPC2.9 FPC2.10 OSC1.2 OSC1.4 OSC2.2 R3.1 R8.1 R9.1 R10.1 U1.B2 U1.B9 U1.F1 U1.H1 U1.H2 U1.H10 U1.J4 U1.J5 U1.J9 U1.K1 U1.K2 U1.K3 U2.1 U3.3 U3.7 U4.3 U4.9 U5.4 U5.8 U5.17 | length 296
  Top Layer w15: OSC1.4 189.13,538.46 189.13,566.92
  Top Layer w20: 156.04,465.04 OSC1.2
  Top Layer w25: 356,385 357.03,383.97 OSC2.2
  Bottom Layer w6: v1(42.36,412.72) 42.36,413.76 44.74,416.14 44.74,430.49 C10.1 ; C14.1 51.23,311.35 v1(42.36,302.48) 49.76,295.09 C12.1 53.8,288.12 66.65,275.27 C8.1 ; C16.1 101.14,365.31 101.14,389.27 C17.1 101.45,407.78 105.35,411.68 v1(105.35,412.72) ; C11.1 133.55,444.71 133.55,432.81 136.85,429.51 v1(136.85,428.47) ; C9.1@152.6,290.7 C9.1@152.51,288.75 ; C15.1@152.6,314.99 C15.1@152.15,316.94 ; C4.1@157.45,397.12 v1(168.35,396.97) ; C15.1@152.15,316.94 C15.1 152.15,318.43 C15.1@152.15,316.94 ; C15.1@152.15,316.94 152.15,302.94 v1(152.6,302.48) 152.51,302.39 C9.1@152.51,288.75 ; C9.1@152.51,288.75 C9.1 152.51,286.9 C9.1@152.51,288.75
  other v1: 15,15 90,15 105,15 120,15 135,15 150,15 165,15 180,15 195,15 210,15 225,15 240,15 255,15 270,15 285,15 300,15 97.5,30 112.5,30 127.5,30 142.5,30 157.5,30 172.5,30 187.5,30 202.5,30 277.5,30 90,45 105,45 120,45 135,45 270,45 97.5,60 262.5,60 277.5,60 15,75 90,75 22.5,90 15,105 22.5,120 15,135 22.5,150 367.5,150 332,182 332,202 22.5,210 15,225 105,225 150,225 256,259 236.46,310.39 268,327 26.61,396.97 73,479 73,491 73,505 97.5,510 73,519 90,525 105,525 73,533 97.5,540 73,547 73,561 247.5,570 73,572 87.16,573.46 240,585 86.87,604.67 180,615 70.44,618.11
IN0A: pad.A@368,612 U5.9 | length 64.1
  Top Layer w4: U5.9 328.02,584.73 331.54,588.24 333.8,588.24 333.88,588.32 353.32,588.32 360.11,595.11 360.11,604.11 pad.A@368,612
IN0B: pad.B@338,612 U5.10 | length 50.6
  Top Layer w4: U5.10 311.85,580.66 311.85,591.68 324.17,604 330,604 pad.B@338,612
IN1A: pad.A@298,612 U5.11 | length 38.7
  Top Layer w4: U5.11 290.01,578.5 290.01,604.01 pad.A@298,612
IN1B: pad.B@268,612 U5.12 | length 35.2
  Top Layer w4: pad.B@268,612 268.96,611.04 U5.12
IN2A: pad.A@230,612 U5.13 | length 83.2
  Top Layer w4: U5.13 223.39,605.39 pad.A@230,612
IN2B: pad.B@200,612 U5.14 | length 117.6
  Top Layer w4: pad.B@200,612 203.57,608.43 203.57,518.43 206.6,515.4 219.88,515.4 U5.14
IN3A: pad.A@161,610 U5.15 | length 153.9
  Signal Pwr 1 w4: v1(161,610) 195,576 195,503 205.79,492.21 v1(223.39,492.21)
IN3B: pad.B@161,578 U5.16 | length 143.6
  Signal Pwr 1 w4: v1(161,578) 182.5,556.5 182.5,492.5 202.48,472.52 v1(223.39,472.52)
LDC1614_INT: U1.K10 U5.5 | length 451.6
  Top Layer w4: U1.K10 v1@26.61,449.39
  Bottom Layer w4: v1(26.31,449.69) 36.13,459.52 156.48,459.52 231,385 303,385 379.82,461.82 v1(379.82,472.26)
LDC1614_SCL: R7.1 U1.K8 U5.1 | length 302.7
  Top Layer w4: U1.K8 66.8,437.16 66.8,447.87 v1(67,448.08) ; R7.1 255.54,386.82 v1(268.96,400.25) U5.1
  Signal Pwr 1 w4: v1(67,448.08) 67,448.52 78.3,459.83 192.54,459.83 198.77,453.6 215.61,453.6 v1(268.96,400.25)
LDC1614_SD: U1.K9 U5.6 | length 380.5
  Top Layer w4: U1.K9 43.18,429.29 43.18,447.26 v1(44,448.08)
  Signal Pwr 1 w4: v1(44,448.08) 56.92,461 68.16,461 74.99,467.83 195.86,467.83 202.09,461.6 350.11,461.6 v1(380.78,492.27)
LDC1614_SDA: R6.1 U1.F10 U5.2 | length 464.9
  Top Layer w4: v1(14,362) 16.36,364.36 25.49,364.36 U1.F10 ; R6.1 280.54,386.82 288.65,394.94 U5.2
  Bottom Layer w4: v1(14,362) 12.88,363.12 12.88,371.11 12.03,371.96 12.03,455.03 24.52,467.52 164.48,467.52 220,412 272.66,412 288.65,396 v1(288.65,395.92)
LED1: R1.1 U1.A7 | length 113.5
  Top Layer w4: U1.A7 73.86,276.14 80,270 159.97,270 162.31,267.66 R1.1
LED2: R2.1 U1.A8 | length 37.6
  Top Layer w4: U1.A8 59.23,285.62 59.23,275.93 76.48,258.68 R2.1
LPUART1_RX: FPC1.6 FPC2.3 U1.K6 | length 575.9
  Top Layer w4: v1(45,104) 56.58,104 65.11,95.47 FPC1.6 160.53,95.25 234.47,95.25 FPC2.3 ; v1(82.95,448.08) 82.95,447.55 89.61,440.89 U1.K6
  Signal Pwr 1 w4: v1(45,104) 45,206.6 69.03,230.64 69.03,434.67 82.44,448.08 v1(82.95,448.08)
LPUART1_TX: D2.K U1.J6 | length 338.5
  Signal Pwr 1 w4: v1(74.92,132.89) 74.92,225.21 78.69,228.98 78.69,401.8 v1(89.61,412.72)
  Bottom Layer w4: v1(74.92,132.89) 93.12,114.69 D2.K
NetA1_1: A1.1 FL1.1 | length 44.6
  Top Layer w12: 59.76,589.92 60,590.15 FL1.1@75.14,590.15
  Top Layer w15: A1.1 A1.1@30.63,590
  Top Layer w20: A1.1@30.71,589.92 59.76,589.92
NetC5_2: C5.2 L1.1 U1.K4 | length 84.4
  Top Layer w8: U1.K4 121.45,428.83 121.45,488.07 C5.2
  Top Layer w12: C5.2 L1.1
NetC6_2: C6.2 FL1.3 L1.2 | length 56.3
  Top Layer w12: FL1.3 121.89,589.78 C6.2 L1.2
NetC7_2: C7.2 L2.1 U1.F2 | length 113.8
  Top Layer w6: v1(198.17,374.77) 198.9,375.51 198.9,381.85 211.58,394.53 L2.1@212.28,394.53 ; C7.2 199.6,407.2 L2.1@212.28,394.53 ; L2.1 L2.1@212.28,394.53
  Gnd 1 w6: v1(152.6,365.47) 187.83,365.47 197.13,374.77 v1(198.17,374.77)
NetC22_2: C22.2 OSC2.3 U5.3 | length 78.7
  Top Layer w4: U5.3 308.33,353.17 OSC2.3
NetL2_2: L2.2 U1.E1 | length 52.6
  Top Layer w6: U1.E1 196.29,349.73 210.56,335.47 L2.2
NetLED1_1: LED1.1 R1.2 | length 20.2
  Top Layer w4: LED1.1 R1.2
NetLED2_1: LED2.1 R2.2 | length 19.3
  Top Layer w4: LED2.1 R2.2
NetLED3_1: LED3.1 U4.7 | length 41.1
  Bottom Layer w5: U4.7 327.42,95.16 336.64,85.94 LED3.1
NetLED3_2: LED3.2 R4.1 | length 32.5
  Bottom Layer w5: R4.1@334.66,62.68 334.66,64.49 337.08,66.91 338.9,66.91 353.35,81.36 353.9,81.36 356.32,83.78 LED3.2
NetLED4_1: LED4.1 U4.6 | length 39.9
  Bottom Layer w4: U4.6 330.38,114.84 336.64,108.59 LED4.1
NetLED4_2: LED4.2 R5.1 | length 32.9
  Bottom Layer w5: R5.1 334.66,128.49 337.08,126.07 338.83,126.07 356.32,108.59 LED4.2
NetOSC1_1: OSC1.1 U1.J2 | length 136.4
  Top Layer w4: OSC1.1 156.04,533.61 168.91,520.74 v1(168.91,519.42)
  Gnd 1 w4: v1(152.6,412.72) 170,430.12 170,518.34 v1(168.91,519.42)
NetOSC1_3: OSC1.3 U1.J1 | length 89.7
  Top Layer w4: U1.J1 169.49,412.72 179.27,422.51 179.27,486.6 OSC1.3
NetR3_2: R3.2 U1.E8 | length 17.9
  Bottom Layer w4: v1(58.11,349.73) 59.23,348.62 73.56,348.62 R3.2@74.95,347.22
NetR10_2: R10.2 U4.2 | length 76.8
  Bottom Layer w5: U4.2 216.84,95.16 213.33,91.64 213.33,56.79 225.77,44.35 227.74,44.35 229.66,42.43 R10.2
NRST: C13.2 FPC1.3 FPC2.6 U1.F9 | length 820.3
  Top Layer w4: FPC1.3 160.53,154.31 234.47,154.31 FPC2.6 342.9,154.1 v1(346,151)
  Signal Pwr 1 w4: v1(42.36,365.47) 42.36,317.93 53.28,307.01 53.28,226.2 34.08,206.99 34.08,99.48 40.48,93.08 288.08,93.08 v1(346,151)
  Bottom Layer w4: v1(42.36,365.47) 43.48,366.59 43.48,379.49 C13.2
SWCLK: FPC1.5 pad.1@189.12,115.49 U1.A3 | length 334.7
  Top Layer w4: v1(64,123) 71.84,115.16 FPC1.5 160.4,115.08 pad.1@189.92,115.08
  Signal Pwr 1 w4: v1(64,123) 65.04,121.96 81.21,121.96 101.08,141.83 101.08,195.61 136.85,231.38 v1(136.85,286.73)
SWCLK-J: FPC2.4 pad.2@204.11,115.41 | length 29.8
  Top Layer w4: pad.2@204.99,114.93 205.09,114.83 234.59,114.83 FPC2.4
SWDIO: FPC1.4 pad.1@188.67,135.07 U1.A5 | length 253.2
  Top Layer w4: v1(87.95,144.15) 87.95,143.8 96.92,134.84 FPC1.4 160.4,134.92 186.5,134.92 pad.1@186.58,135
  Bottom Layer w4: v1(87.95,144.15) 87.95,231.95 106.19,250.19 106.19,285.9 v1(105.35,286.73)
SWDIO-J: FPC2.5 pad.2@203.66,135 | length 28.3
  Top Layer w4: pad.2@206.58,135 206.88,134.7 234.39,134.7 FPC2.5
SWO: U1.A9 | length 35
  Top Layer w4: v1(20,271.63) 21.12,270.51 35.51,270.51 41.24,276.24 41.24,285.62 U1.A9
TX: D2.A FPC1.7 FPC2.2 | length 115.3
  Top Layer w4: v1(140,75) 159.53,75 FPC1.7 160.53,75.57 234.47,75.57 FPC2.2
  Bottom Layer w4: D2.A 120.31,75 v1(140,75)
VBAT: C25.2 Q1.3 U4.5
VLDO: C18.2 D1.K Q1.2 R9.2 U3.4 U3.6
pads on no net: A1.2 OSC2.1 U1.A1 U1.A2 U1.A4 U1.B4 U1.B5 U1.B6 U1.B7 U1.B8 U1.B10 U1.C1 U1.C2 U1.C3 U1.C4 U1.C5 U1.C6 U1.C7 U1.C8 U1.C9 U1.D2 U1.D3 U1.D4 U1.D5 U1.D6 U1.D7 U1.D8 U1.D9 U1.D10 U1.E2 U1.E3 U1.E4 U1.E5 U1.E6 U1.E7 U1.E9 U1.E10 U1.F3 U1.F4 U1.F5 U1.F6 U1.F7 U1.F8 U1.G1 U1.G2 U1.G3 U1.G4 U1.G5 U1.G6 U1.G7 U1.G8 U1.G9 U1.G10 U1.H3 U1.H4 U1.H5 U1.H6 U1.H7 U1.J7 U1.J8 U1.K7 U3.5 U4.1

## Polygon pours and split planes (outlines as drawn)
GND on Bottom Layer "NONET_L-01_P-001" (solid, pour order 15): 397,0 0,0 0,630 5,635 405,635
VLDO on Bottom Layer "R" (solid, pour order 3): 241.26,294.74 210,294.74 210,217.19 165.01,217.19 164.96,207.08 140,207.08 140,191.71 225.18,191.71 225.18,255 241.34,255 241.34,263.93 213.06,263.93 213.06,286.8 241.34,286.8
5VUSB on Bottom Layer "NONET_L-01_P-001" (solid, pour order 9): 292,82 311,82 311,51 350,51 350.71,51.71 350.71,70.17 365.83,70.17 366,70 367,71 367,122 352.11,122 350,124.11 350,140 380,140 383,137 383,30 294,30 292,32
5VUSB on Bottom Layer "NONET_L-01_P-001" (solid, pour order 6): 104,155 104,135 160,135 160,95 205,95 205,130 240,130 240,140 225,155 225,175 140,175 140,155
3V3 on Bottom Layer "NONET_L-01_P-001" (solid, pour order 4): 293.32,270.35 269.13,270.35 268.85,270.08 268.44,270.49 268.44,295.64 320.64,295.64 385,295.64 385,250 344.59,250 344.59,280 295,280
VBAT on Bottom Layer "NONET_L-01_P-001" (solid, pour order 2): 310.69,126.98 288.91,126.98 288.42,127.47 288.42,161.27 274.78,174.91 244.23,174.91 244.23,203.84 247.8,207.41 284.52,207.41 284.52,233.25 284.36,233.41 295.95,245 393.23,245 393.23,217.81 392.74,217.32 316.7,217.32 316.7,165.98 310.69,159.97
GND on Top Layer "NONET_L-01_P-001" (solid, remove dead copper, pour order 8): 0,0 403,0 403,650 401,652 396,647 0,647
5VUSB on Top Layer "NONET_L-01_P-001" (solid, pour order 7): 137.49,140.87 106.8,140.87 106.8,199.54 173,199.54 173,187.83 137.02,187.83
3V3 on Signal Pwr 2 "NONET_L-01_P-001" (solid, pour order 5): 390,245 390,580 350,580 350,437 5,437 5,245
5VUSB on Signal Pwr 2 "NONET_L-01_P-001" (solid, pour order 10): 346,29 346,57 242,161 103,161 103,134 105,132 227,132 292,67 292,29
GND on Gnd 2 "NONET_L-01_P-001" (solid, remove dead copper, pour order 11): 0,0 416,0 428,12 428,668 15,668 0,653
GND on Signal Pwr 1 "NONET_L-01_P-001" (solid, remove dead copper, pour order 13): 0,0 405,0 405,639 392,652 0,652
GND on Gnd 1 "NONET_L-01_P-001" (solid, remove dead copper, pour order 14): 0,0 416,0 428,12 428,668 15,668 0,653
no net on Bottom Solder "NONET_L-01_P-001" (solid): 396,316 330,316 330,348 396,348
no net on Bottom Solder "NONET_L-01_P-001" (solid): 396,215 330,215 330,247 396,247

## Keep-outs
Keep-Out Layer:
  the board outline again, w5

## Other copper
Top Layer:
  pour cut-out: 299.81,272.32 376.53,272.32 376.53,363.47 373.78,366.22 295.29,366.22 295.29,272.45
  pour cut-out: 142.04,552.61 200.61,552.61 200.79,552.79 200.79,477.61 143.39,477.61 143,478
  pour cut-out: 65,630 65,465 0,465 0,630
Gnd 1:
  pour cut-out: 65,630 65,465 0,465 0,630
Signal Pwr 1:
  pour cut-out: 65,630 65,465 0,465 0,630
Gnd 2:
  pour cut-out: 65,630 65,465 0,465 0,630
Signal Pwr 2:
  pour cut-out: 65,630 65,465 0,465 0,630
Bottom Layer:
  pour cut-out: 65,630 65,470 0,470 0,630

## Silkscreen, mask and mechanical layers (free items; w line width, h text height)
Top Overlay:
  lines w4: 177,565 177,624 ; 187,596 251.63,596 ; 259.79,596 318.5,596 ; 329.05,596 386.43,596
  text "2" at 244.2,599.35 h20
  text "1" at 312.02,598.89 h20
  text "0" at 382,599.17 h20
  text "3" at 180.24,563.71 h20
Bottom Overlay:
  drawing of 231 lines, arcs and shapes, not listed
  text "IMSS-Core Unit" at 359.81,582.88 h60
  text "B-/GND" at 383,352.5 h60
  text "B+" at 323,216 h60
Mechanical 1:
  the board outline again, w5

## Text inside footprints (layer, text, board x,y; h text height)
U5: Top Overlay "1" at 255.49,401.05 h60 r90